# KiCad board SplitKeeb.kicad_pcb (continued)
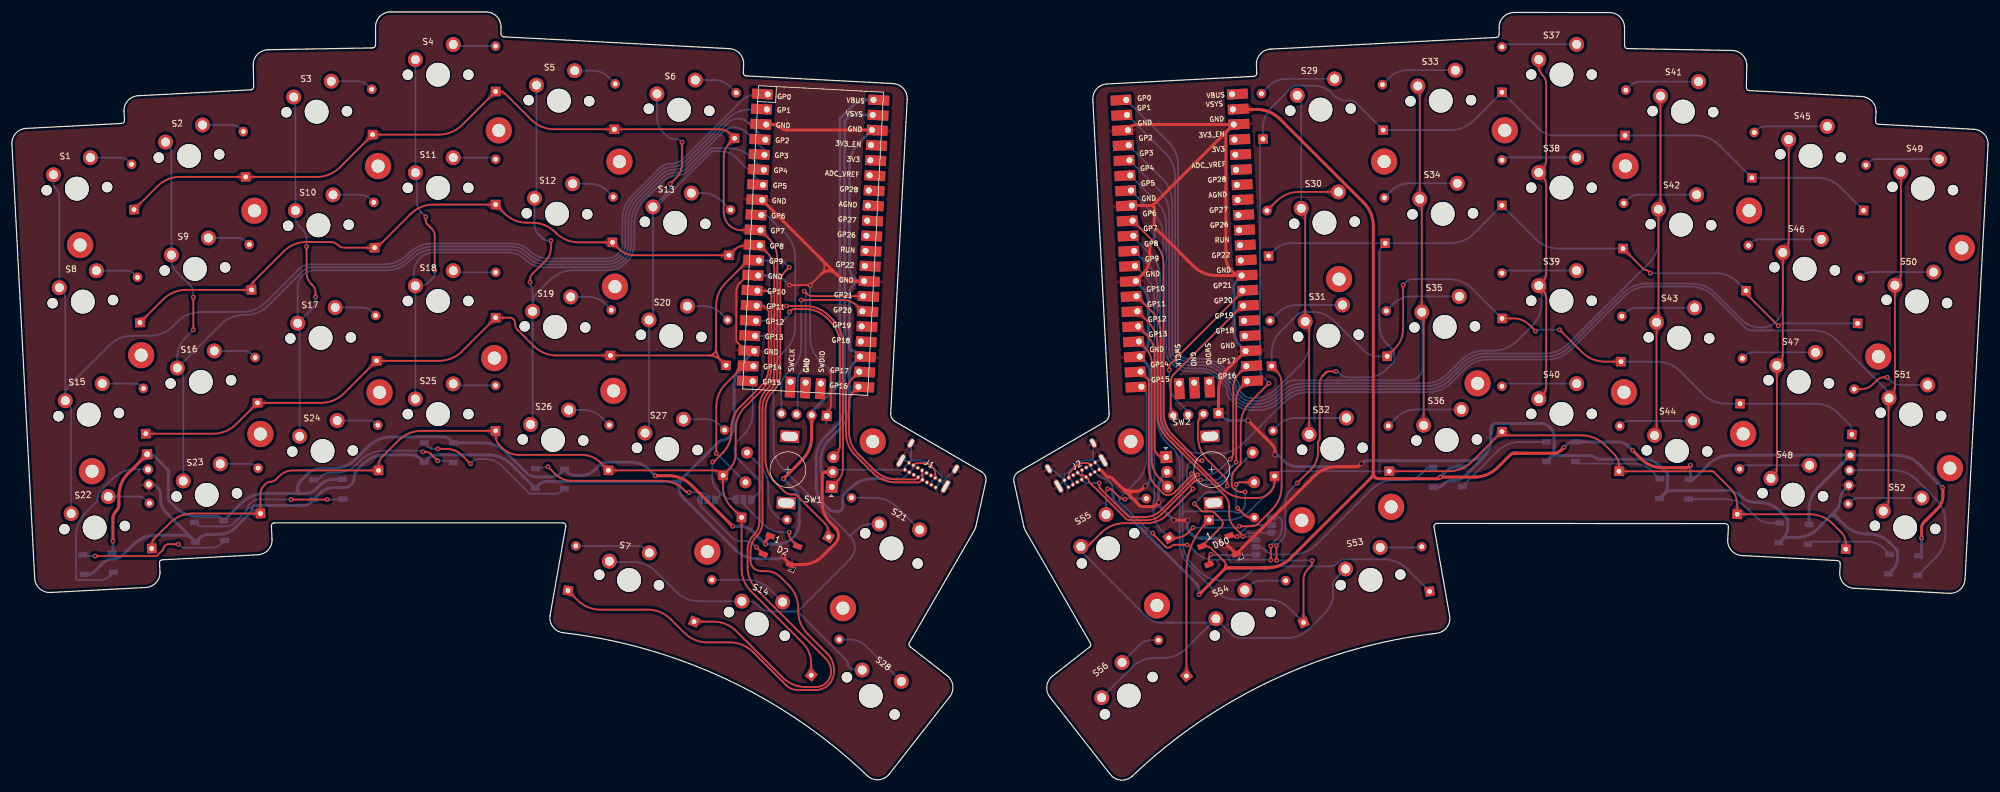
[diagram p0: board, top side]
## Routing (per net, layer and track width the routed paths; a pad name or vN(x,y) marks a point on that pad's centre or on a via; arc(x,y) is an arc through that point)
+5V: length 243.1
  Top w0.5: v1(126.44,39.63) 126.44,39.93 arc(126.5,40.2) 126.65,40.43 D2.1 ; v1(107.94,51.13) 110.19,51.13 arc(112.27,50.72) 114.03,49.54 v1(120.94,42.63) ; 134.2,61.9 134.2,57.63 arc(133.78,55.54) 132.6,53.78 v1(129.45,50.63) ; v1(16.94,40.13) 16.94,43.91 arc(17.07,44.57) 17.45,45.13 arc(17.82,45.69) 17.95,46.35 17.95,47.81 arc(18.35,49.81) 19.49,51.5 J5.1
  Bottom w0.5: U1.40 143.33,114.26 arc(142.17,114.03) 141.19,113.37 138.98,111.17 arc(138.95,111.12) 138.94,111.07 138.94,66.98 arc(138.88,66.66) 138.69,66.38 138.45,66.14 arc(138.44,66.13) 138.43,66.13 arc(138.43,66.13) 138.42,66.12 134.2,61.9 ; 48.75,48.13 47.13,48.13 ; 48.75,48.13 49.11,48.13 arc(50.18,48.34) 51.09,48.95 51.65,49.51 arc(52.76,50.26) 54.08,50.52 D65.1 ; 48.75,48.13 arc(48.18,48.37) 47.94,48.94 ; 47.13,48.13 42.38,48.13 arc(40.3,47.71) 38.53,46.54 35.93,43.93 arc(35.54,43.77) 35.15,43.93 arc(34.71,44.22) 34.2,44.32 30.94,44.32 arc(29.14,44.68) 27.62,45.7 26.49,46.83 arc(26.31,47.1) 26.24,47.41 26.24,51.7 arc(26.26,51.78) 26.31,51.85 arc(26.33,51.91) 26.31,51.98 23.86,54.42 arc(23.53,54.64) 23.13,54.72 J5.1 ; 47.13,48.13 arc(47.71,48.37) 47.94,48.94 ; v1(107.94,51.13) 106.82,52.26 arc(105.57,53.09) 104.1,53.38 99.69,53.38 arc(99.13,53.27) 98.66,52.95 97.89,52.18 arc(96.72,51.4) 95.35,51.13 94.64,51.13 arc(93.92,51.27) 93.31,51.68 D58.1 92.1,51.58 arc(91.38,51.1) 90.53,50.93 88.02,50.93 arc(87.1,51.11) 86.31,51.64 82.9,55.05 arc(81.13,56.23) 79.05,56.65 D59.1 73.59,57.15 arc(73.04,57.52) 72.38,57.65 63.69,57.65 arc(61.61,57.23) 59.84,56.05 57.72,53.92 arc(55.95,52.74) 53.87,52.33 51.7,52.33 arc(50.61,52.11) 49.69,51.5 48.52,50.32 arc(48.09,49.69) 47.94,48.94 ; D67.1 16.86,38.27 arc(16.92,38.36) 16.94,38.46 v1(16.94,40.13) ; v1(120.94,42.63) 122.19,42.63 arc(123.35,42.4) 124.33,41.75 v1(126.44,39.63) 128.4,39.63 arc(129.83,39.91) 131.03,40.72 arc(131.84,41.92) 132.12,43.35 132.12,47.14 arc(131.97,47.9) 131.54,48.54 v1(129.45,50.63)
+5V 1: length 324.4
  Top w0.3: J4.2 199.49,61.05 arc(199.16,60.55) 199.04,59.97 199.04,57.62 arc(199.45,55.53) 200.63,53.77 203.57,50.83 arc(203.85,50.42) 203.94,49.93 v1(203.94,49.4) ; v1(198.44,46.4) 199.58,45.27 arc(199.72,45.17) 199.89,45.13 201.21,45.13 arc(201.52,45.07) 201.78,44.9 202.95,43.73 arc(203.13,43.46) 203.19,43.14 arc(203.13,42.83) 202.95,42.56 199.9,39.5 arc(199.87,39.37) 199.98,39.3 200.27,39.3 arc(200.81,39.19) 201.27,38.88 203.41,36.75 arc(203.62,36.43) 203.69,36.05 arc(203.81,35.77) 204.1,35.65 ; J2.B4 177.35,51.18 arc(177.42,51.53) 177.62,51.83 178.49,52.7 arc(179.13,53.12) 179.88,53.27 180.44,53.27 arc(180.67,53.23) 180.86,53.1 J2.B9
  Top w0.5: v1(271.94,55.4) 273.41,53.93 arc(275.03,52.85) 276.95,52.47 280.98,52.47 arc(281.24,52.52) 281.46,52.67 v1(281.69,52.9) ; 203.41,35.36 v1(199.19,31.15) ; 203.41,35.36 arc(203.62,35.68) 203.69,36.05 ; 203.41,35.36 arc(203.72,35.57) 204.1,35.65 210.69,35.65 arc(212.77,36.06) 214.54,37.24 228.18,50.88 ; v1(323.94,49.15) 323.99,49.11 arc(324.02,49.06) 324.03,49 324.03,47.77 arc(323.79,46.58) 323.12,45.57 320.82,43.27 arc(320.54,42.86) 320.44,42.37 v1(320.44,40.65) ; v1(260.44,55.9) 259.94,55.4 arc(259.39,55.03) 258.74,54.9 251.94,54.9 arc(251.71,54.85) 251.52,54.72 249.29,52.49 arc(247.52,51.31) 245.44,50.9 v1(239.69,50.9) 239.55,50.76 arc(239.39,50.65) 239.21,50.62 229.35,50.62 arc(229.01,50.69) 228.71,50.88 ; 228.44,51.53 228.44,93.11 arc(228.03,95.19) 226.85,96.96 212.75,111.06 arc(210.98,112.24) 208.9,112.65 U2.39 ; 228.44,51.53 arc(228.51,51.18) 228.71,50.88 ; 228.44,51.53 arc(228.37,51.18) 228.18,50.88 ; 228.18,50.88 arc(228.44,50.99) 228.71,50.88
  Bottom w0.3: v1(203.94,49.4) 203.44,48.9 arc(202.89,48.53) 202.24,48.4 201.03,48.4 arc(200.45,48.28) 199.95,47.95 198.46,46.46 arc(198.45,46.44) 198.44,46.42 v1(198.44,46.4) ; J2.B4 177.85,50.3 arc(177.98,50.1) 178.03,49.87 J2.A9 ; J2.B9 181.03,52.67 arc(181.08,52.45) 181.21,52.25 J2.A4 182.5,50.96 arc(182.85,50.73) 183.25,50.65 arc(183.66,50.57) 184,50.34 184.19,50.15 arc(184.56,49.6) 184.69,48.94
  Bottom w0.5: 184.69,48.94 184.69,48.36 arc(184.93,47.17) 185.61,46.16 198.69,33.07 arc(199.06,32.52) 199.19,31.86 v1(199.19,31.15) ; v1(271.94,55.4) 271.24,56.1 arc(270.47,56.62) 269.55,56.8 261.87,56.8 arc(261.38,56.7) 260.97,56.43 v1(260.44,55.9) ; D70.1 320.21,37.9 arc(320.38,38.16) 320.44,38.47 v1(320.44,40.65) ; D61.1 242.37,52.59 arc(241.46,52.41) 240.69,51.9 v1(239.69,50.9) ; D69.1 301.56,45.37 arc(301.97,47.46) 303.15,49.22 308.5,54.57 ; 308.5,54.57 316.27,54.57 arc(318.35,54.16) 320.11,52.98 v1(323.94,49.15) ; 308.5,54.57 arc(308.5,54.57) 308.5,54.57 ; 308.5,54.57 arc(308.5,54.57) 308.5,54.57 ; 308.5,54.57 arc(308.5,54.57) 308.5,54.57 ; v1(281.69,52.9) 281.69,50.97 arc(281.66,50.79) 281.56,50.64 arc(281.54,50.56) 281.61,50.51 281.8,50.51 arc(282.14,50.57) 282.44,50.77 284.65,52.98 arc(286.41,54.16) 288.5,54.58 308.49,54.58 arc(308.5,54.58) 308.5,54.57
GND: length 401.1
  Top w0.3: 136.73,61.77 137.09,62.12 arc(137.35,62.51) 137.44,62.98 v1(137.44,68.63) ; v1(130.44,83.13) v1(133.94,83.13) 135.85,85.04 arc(136.36,86.26) 135.85,87.47 ; U1.13 124.32,84.75 arc(123.48,84.58) 122.76,84.11 122.15,83.49 arc(121.71,82.84) 121.56,82.07 121.56,73.99 arc(121.61,73.73) 121.76,73.51 122.71,72.55 arc(123.25,72.19) 123.88,72.07 U1.18
  Top w0.5: 138.29,85.04 U1.8 ; 138.29,85.04 arc(139.64,84.14) 141.23,83.82 U1.28 ; 138.29,85.04 arc(137.07,85.54) 135.85,85.04 ; v1(129.44,37.63) 129.44,37.53 arc(129.46,37.43) 129.52,37.35 D2.3 132.63,36.21 arc(134.45,36.57) 136,37.6 138.15,39.75 arc(138.56,40.37) 138.7,41.09 arc(138.56,41.81) 138.15,42.42 137.34,43.24 arc(136.33,44.75) 135.97,46.53 135.97,51.2 arc(136.01,51.41) 136.13,51.59 arc(136.31,51.71) 136.51,51.75 SW1.C ; U1.3 127.8,110.12 arc(128.41,109.99) 128.92,109.65 arc(129.44,109.31) 130.05,109.18 U1.38
  Bottom w0.3: J1.S1 150.87,53.87 arc(150.82,53.65) 150.7,53.47 ; v1(133.94,83.13) 133.94,74.38 arc(134.36,72.3) 135.54,70.54 v1(137.44,68.63) ; 150.7,53.47 150.73,53.5 arc(150.96,53.65) 151.22,53.71 152.15,53.71 arc(153.27,53.48) 154.22,52.85 155.9,51.17 arc(156,51.03) 156.03,50.86 ; 150.7,53.47 150.36,53.13 ; 150.7,53.47 arc(150.53,53.4) 150.36,53.47 ; 150.36,53.13 149.85,52.62 J1.A12 138.36,52.13 arc(138.11,52.08) 137.9,51.94 arc(137.68,51.8) 137.43,51.75 ; 150.36,53.13 arc(150.43,53.3) 150.36,53.47 ; 155.69,50.31 155.9,50.53 arc(156,50.67) 156.03,50.84 ; U1.13 127.68,84.75 arc(128.74,84.54) 129.63,83.94 v1(130.44,83.13) ; J1.A1 155.34,49.49 arc(155.59,49.87) 155.68,50.32 ; 150.36,53.47 150.35,53.48 arc(150.16,53.61) 149.92,53.65 J1.S1 ; J1.S1 156.42,50.32 155.69,50.32 ; J1.S1 155.69,50.31 arc(155.68,50.31) 155.68,50.32 ; 155.69,50.32 arc(155.69,50.33) 155.69,50.33 arc(155.68,50.32) 155.68,50.32 ; 155.69,50.32 arc(155.68,50.32) 155.68,50.32
  Bottom w0.5: J5.3 23.45,49.65 arc(23.89,49.56) 24.26,49.31 24.43,49.14 arc(24.81,48.57) 24.94,47.91 24.94,47.25 arc(25.2,45.97) 25.92,44.88 D66.3 ; 137.43,51.75 136.14,51.75 arc(136.07,51.73) 136,51.69 arc(135.94,51.66) 135.88,51.69 135.84,51.73 arc(135.77,51.84) 135.74,51.97 135.74,53.81 arc(136.11,55.65) 137.15,57.2 138.95,59 arc(140.13,60.77) 140.54,62.85 140.54,68.1 arc(140.77,69.26) 141.43,70.25 141.82,70.64 arc(142.03,71.14) 141.82,71.63 141.61,71.85 arc(141.3,72.06) 140.94,72.13 arc(140.66,72.24) 140.54,72.52 140.54,81.58 arc(140.71,82.44) 141.2,83.16 141.45,83.42 ; 110.94,50.13 89.69,50.13 arc(88.97,49.98) 88.35,49.57 D58.3 83.78,53.04 arc(82.02,54.21) 79.93,54.63 71.38,54.63 arc(70.54,54.46) 69.83,53.99 D59.3 68.55,53.99 arc(67.84,54.46) 67,54.63 62.7,54.63 arc(60.62,54.21) 58.85,53.04 57.97,52.16 arc(57.58,51.57) 57.44,50.88 57.44,50.84 arc(57.31,50.18) 56.94,49.63 arc(56.39,49.26) 55.74,49.13 54.06,49.13 arc(52.76,48.87) 51.65,48.13 D65.3 50.15,46.63 arc(49.6,46.26) 48.94,46.13 42.76,46.13 arc(42.73,46.13) 42.71,46.15 arc(42.69,46.17) 42.66,46.17 41.01,46.17 arc(40.74,46.12) 40.52,45.97 40.5,45.95 arc(40.36,45.75) 40.31,45.51 arc(40.27,45.27) 40.13,45.07 37.4,42.34 arc(36.24,41.56) 34.86,41.28 33.03,41.28 arc(32.18,41.12) 31.46,40.64 D66.3 ; 110.94,50.13 arc(111.87,50.31) 112.65,50.84 ; 110.94,50.13 arc(111.65,49.84) 111.94,49.13 ; 141.45,83.42 arc(141.9,83.72) 142.42,83.82 ; 141.45,83.42 arc(141.62,83.82) 141.45,84.22 ; 112.65,50.84 118.63,56.82 arc(118.98,57.05) 119.39,57.13 arc(119.8,57.21) 120.14,57.44 120.52,57.82 arc(121.03,58.58) 121.21,59.48 121.21,66.46 arc(121.62,68.54) 122.8,70.3 U1.18 ; 112.65,50.84 arc(112.13,50.05) 111.94,49.13 ; 141.45,84.22 141.2,84.47 arc(140.71,85.2) 140.54,86.05 140.54,103.16 arc(140.96,105.24) 142.14,107.01 U1.38 ; 141.45,84.22 arc(141.9,83.92) 142.42,83.82 ; D66.3 30.25,40.56 arc(29.61,40.98) 28.87,41.13 24.2,41.13 arc(22.12,40.71) 20.35,39.54 18.66,37.84 arc(17.87,37.32) 16.95,37.14 arc(16.03,36.95) 15.24,36.43 13.81,34.99 arc(13.32,34.67) 12.75,34.55 D67.3 ; 142.42,83.82 U1.28 ; v1(129.44,37.63) 129.22,37.4 arc(128.97,37.24) 128.68,37.18 125.15,37.18 arc(123.07,37.59) 121.3,38.77 112.65,47.42 arc(112.13,48.21) 111.94,49.13
GND1: length 424.4
  Top w0.5: 188.07,48.52 188.7,48.52 arc(189.27,48.64) 189.76,48.96 v2(190.19,49.4) ; 188.07,48.52 arc(186.91,48.75) 185.93,49.41 ; 188.07,48.52 arc(187.59,48.2) 187.7,47.64 ; 185.93,49.41 187.7,47.64 ; 185.93,49.41 184.66,50.68 arc(184.42,50.84) 184.14,50.9 arc(183.86,50.95) 183.62,51.11 182.5,52.23 ; 187.7,47.64 189.14,46.2 arc(189.43,46.01) 189.78,45.94 191.23,45.94 arc(191.69,46.03) 192.09,46.29 v2(192.44,46.65) ; U2.3 187.72,109.65 arc(188.24,109.99) 188.85,110.12 204.09,110.12 ; v2(197.32,43.65) v2(194.94,43.65) ; v2(207.44,60.4) 211.5,56.34 arc(211.83,55.85) 211.94,55.27 v2(211.94,54.65) ; v2(190.91,89.87) 190.91,87.79 arc(190.61,86.27) 189.75,84.98 U2.13 ; 204.09,110.12 arc(204.44,109.88) 204.36,109.46 ; 204.09,110.12 arc(204.44,109.88) 204.36,109.46 ; 191.55,96.65 204.36,109.46 ; 191.55,96.65 arc(191.49,96.5) 191.55,96.36 ; 191.55,96.65 arc(191.39,96.54) 191.19,96.5 ; 204.36,109.46 203.77,108.87 arc(203.72,108.8) 203.7,108.72 203.7,87.8 arc(203.94,86.63) 204.6,85.64 205.19,85.05 arc(205.52,84.83) 205.92,84.75 202.1,84.75 arc(200.01,85.16) 198.25,86.34 v2(191.69,92.9) 191.69,96 arc(191.66,96.19) 191.55,96.36 ; U2.23 204.07,69.13 arc(202.89,67.36) 202.47,65.28 J4.1 ; v2(226.44,53.15) 226.19,52.9 arc(225.92,52.71) 225.59,52.65 222.38,52.65 arc(220.3,52.23) 218.53,51.06 D60.3 204.22,39.19 arc(204,39.35) 203.73,39.4 v2(203.44,39.4) ; 191.19,96.5 U2.8 ; 191.19,96.5 arc(191.39,96.46) 191.55,96.36
  Bottom w0.3: 176.59,50.4 175.89,51.1 arc(175.83,51.14) 175.77,51.15 arc(175.7,51.16) 175.64,51.2 174.75,52.09 arc(174.52,52.25) 174.24,52.3 J2.S1 ; 176.59,50.4 arc(176.61,50.37) 176.62,50.33 ; 176.59,50.4 arc(176.56,50.44) 176.55,50.48 176.55,50.78 arc(176.62,51.1) 176.8,51.37 178.35,52.93 arc(179.23,53.52) 180.27,53.72 181.13,53.72 arc(181.38,53.67) 181.58,53.53 181.6,53.51 ; 176.59,50.4 arc(176.6,50.37) 176.59,50.34 ; J2.A1 182.45,52.67 181.94,53.18 ; 176.59,50.34 175.64,49.39 arc(175.63,49.39) 175.63,49.38 J2.S1 ; 176.59,50.34 arc(176.61,50.34) 176.62,50.33 ; J2.A12 176.79,49.7 arc(176.66,49.9) 176.62,50.12 176.62,50.33 ; 181.6,53.51 181.94,53.18 ; 181.6,53.51 arc(181.77,53.45) 181.94,53.51 ; 181.6,53.51 arc(181.48,53.7) 181.43,53.92 J2.S1 ; 181.94,53.51 181.95,53.52 arc(182.14,53.66) 182.38,53.7 J2.S1 ; 181.94,53.51 arc(181.87,53.35) 181.94,53.18
  Bottom w0.5: U2.13 189.64,82.77 arc(190.42,81.6) 190.69,80.22 190.69,73.6 arc(190.51,72.66) 189.97,71.86 arc(189.67,71.14) 189.97,70.42 190.12,70.27 arc(190.77,69.3) 190.99,68.16 190.99,51 190.99,50.3 arc(190.98,50.21) 190.92,50.13 v2(190.19,49.4) ; v2(190.91,89.87) 191.3,90.26 arc(191.59,90.69) 191.69,91.2 v2(191.69,92.9) ; 304.96,44.17 303.01,42.22 arc(301.38,41.13) 299.44,40.74 297.96,40.74 arc(297.4,40.63) 296.92,40.31 297.24,40.63 arc(297.79,41.46) 297.98,42.43 297.98,43.76 arc(297.97,43.85) 297.92,43.93 296.59,45.25 arc(295.04,46.29) 293.22,46.65 292.6,46.65 arc(291.29,46.91) 290.18,47.65 arc(289.08,48.39) 287.77,48.65 278.78,48.65 arc(277.9,48.47) 277.14,47.97 D68.3 277.15,47.97 arc(277.65,48.73) 277.83,49.62 277.83,51.19 arc(277.77,51.49) 277.6,51.74 276.64,52.71 arc(275.31,53.59) 273.76,53.9 266.37,53.9 arc(265.98,53.98) 265.64,54.2 arc(265.31,54.42) 264.92,54.5 259.2,54.5 arc(258.55,54.37) 257.99,54 D62.3 258.14,54.15 arc(258.62,54.87) 258.79,55.72 258.79,57.59 arc(258.62,58.48) 258.12,59.22 arc(257.37,59.72) 256.49,59.9 249.05,59.9 arc(248.72,59.83) 248.44,59.65 arc(248.26,59.37) 248.19,59.05 ; 304.96,44.17 306.18,45.38 ; 304.96,44.17 arc(305.57,44.42) 306.18,44.17 ; 306.18,45.38 arc(305.92,44.77) 306.18,44.17 ; 306.18,45.38 arc(306.63,46.06) 306.78,46.85 306.78,47.02 arc(306.97,47.97) 307.51,48.77 J6.3 ; v2(203.44,39.4) 202.55,40.3 arc(202.16,40.56) 201.69,40.65 199.56,40.65 arc(198.67,40.83) 197.92,41.33 197.55,41.7 arc(197.32,42.04) 197.24,42.44 197.24,43.52 arc(197.25,43.57) 197.28,43.61 v2(197.32,43.65) ; U2.28 205.71,84.12 arc(205.24,83.41) 205.08,82.59 205.08,75.36 arc(205.33,74.1) 206.04,73.03 U2.23 ; 248.19,59.05 248.19,57.02 arc(247.99,56.02) 247.43,55.17 246.67,54.41 arc(246.66,54.4) 246.65,54.4 246.64,54.4 arc(245.56,53.84) 244.35,53.65 227.3,53.65 arc(226.97,53.58) 226.69,53.4 v2(226.44,53.15) 226.19,52.9 arc(225.92,52.71) 225.59,52.65 215.86,52.65 arc(214.55,52.91) 213.44,53.65 212.62,54.47 arc(212.42,54.6) 212.19,54.65 v2(211.94,54.65) ; 248.19,59.05 248.19,57.43 arc(247.83,55.62) 246.8,54.08 243.85,51.12 arc(242.99,50.55) 241.98,50.35 241.7,50.35 arc(240.95,50.2) 240.32,49.78 240.19,49.65 arc(239.7,49.32) 239.13,49.21 D61.3 ; v2(207.44,60.4) 204.58,60.4 arc(203.77,60.56) 203.09,61.02 J4.1 ; 306.18,44.17 307.41,42.93 arc(309.18,41.75) 311.26,41.34 311.67,41.34 arc(313.48,40.98) 315.02,39.95 316.3,38.67 arc(316.38,38.55) 316.41,38.41 316.41,37.18 arc(316.21,36.21) 315.66,35.38 D70.3 ; v2(194.94,43.65) 192.62,45.97 arc(192.49,46.17) 192.44,46.4 v2(192.44,46.65) 192.43,46.66 arc(192.43,46.67) 192.42,46.68 192.42,49.34 arc(192.61,50.27) 193.13,51.06 SW2.C
Indicator LED L: length 23.2
  Bottom w0.3: U1.20 124.3,61.64 arc(123.9,59.65) 122.77,57.96 121.92,57.1 arc(121.42,56.36) 121.24,55.48 arc(121.42,54.6) 121.92,53.86 125.28,50.49 arc(125.62,49.98) 125.74,49.38 arc(125.62,48.78) 125.28,48.27 124.53,47.52 arc(124.53,47.51) 124.52,47.51 arc(124.51,47.51) 124.51,47.51 124.04,47.04
Indicator LED R: length 60.3
  Top w0.3: v1(191.4,41.49) 191.4,41.43 arc(191.42,41.37) 191.45,41.32 193.55,39.23 arc(193.76,39.08) 194.02,39.03 arc(194.28,39.08) 194.5,39.23 194.55,39.28 arc(194.83,39.46) 195.15,39.53 197.18,39.53 arc(197.19,39.53) 197.2,39.52 v1(197.21,39.51) ; v1(211.24,36.94) 211.24,36.94 v1(211.24,39.33)
  Bottom w0.3: v1(197.21,39.51) 197.32,39.51 arc(197.42,39.49) 197.5,39.43 198.67,38.26 arc(200.05,37.34) 201.67,37.02 211.11,37.02 arc(211.16,37.01) 211.2,36.98 v1(211.24,36.94) ; U2.20 189.94,65.64 arc(190.26,65.17) 190.37,64.61 190.37,54.07 arc(189.95,51.99) 188.77,50.22 185.86,47.31 arc(185.77,47.18) 185.74,47.02 arc(185.77,46.86) 185.86,46.73 190.99,41.6 arc(191.11,41.52) 191.25,41.49 v1(191.4,41.49) ; v1(211.24,39.33) 211.24,39.38 arc(211.25,39.43) 211.28,39.48 212.3,40.49 arc(212.92,41.43) 213.14,42.53 213.14,43.45 arc(213.09,43.71) 212.94,43.93 arc(212.72,44.08) 212.46,44.13 JP4.1
L Rotary A: length 43.7
  Top w0.3: SW1.A 138.51,50.19 arc(139.2,51.22) 139.44,52.44 139.44,73.38 arc(139.03,75.46) 137.85,77.22 137.04,78.04 arc(135.27,79.21) 133.19,79.63 v1(129.94,79.63)
  Bottom w0.3: v1(129.94,79.63) 129.69,79.63 arc(129.46,79.58) 129.27,79.45 127.71,77.89 arc(126.87,77.34) 125.89,77.14 U1.16
L Rotary B: length 38.9
  Top w0.3: SW1.B 138.39,54.8 arc(138.8,55.41) 138.94,56.14 138.94,73.17 arc(138.53,75.25) 137.35,77.02 136.75,77.61 arc(135.07,78.73) 133.09,79.13 131.3,79.13 arc(130.97,79.06) 130.69,78.88 v1(130.44,78.63)
  Bottom w0.3: U1.17 125.81,74.6 arc(126.83,74.81) 127.7,75.39 130.27,77.95 arc(130.4,78.15) 130.44,78.38 v1(130.44,78.63)
L SCL: length 30.8
  Top w0.3: U1.27 134.39,81.28 arc(133.84,81.39) 133.37,81.71 v1(132.94,82.13)
  Bottom w0.3: 131.66,62.03 131.76,62.13 arc(131.83,62.23) 131.85,62.36 131.85,67.09 arc(132.03,67.97) 132.52,68.71 arc(133.02,69.45) 133.19,70.33 133.19,81.7 arc(133.16,81.87) 133.07,82 v1(132.94,82.13)
L SDA: length 30.4
  Top w0.3: v1(132.44,80.63) 139.5,80.63 arc(140.73,80.38) 141.78,79.69 U1.26
  Bottom w0.3: v1(132.44,80.63) 132.44,72.88 arc(132.03,70.8) 130.85,69.04 129.87,68.06 arc(129.32,67.23) 129.12,66.25 129.12,62.17
LCol1: length 202.2
  Bottom w0.3: U1.1 125.16,115.19 arc(123.63,114.88) 122.33,114.01 112.69,104.38 arc(111.75,103.75) 110.63,103.53 arc(109.52,103.3) 108.57,102.67 104.04,98.14 arc(102.86,96.37) 102.44,94.29 102.44,90.19 arc(102.25,89.21) 101.69,88.38 arc(100.86,87.82) 99.88,87.63 89.92,87.63 arc(88.29,87.95) 86.9,88.88 arc(85.52,89.8) 83.88,90.13 70.49,90.13 arc(68.41,89.71) 66.64,88.54 66.33,88.22 arc(64.56,87.04) 62.48,86.63 50.12,86.63 arc(49.03,86.41) 48.11,85.79 42.54,80.22 arc(40.77,79.04) 38.69,78.63 31.7,78.63 arc(29.62,78.21) 27.85,77.04 27.04,76.22 arc(25.27,75.04) 23.19,74.63 20.2,74.63 arc(18.12,74.21) 16.35,73.04 9.63,66.31 arc(9.13,65.56) 8.95,64.68 8.95,64.43 ; S1.1 6.96,100.44 arc(7.09,99.79) 7.46,99.24 arc(7.83,98.69) 7.96,98.04 7.96,83.4 arc(8.09,82.76) 8.45,82.2 arc(8.82,81.65) 8.95,81 8.95,64.43 ; 8.95,64.43 arc(9.08,63.78) 9.45,63.23 ; 8.95,64.43 arc(9.08,63.78) 9.45,63.23 ; S22.1 9.95,62.03 arc(9.82,62.68) 9.45,63.23
LCol2: length 181.8
  Top w0.3: v1(30.44,75.63) v1(30.44,81.13)
  Bottom w0.3: 27.76,69.92 27.76,71.08 arc(28.1,72.8) 29.08,74.26 v1(30.44,75.63) ; 27.76,69.92 arc(27.89,69.27) 28.26,68.72 ; 27.76,69.92 arc(27.94,69.65) 28.26,69.72 ; U1.2 123.93,112.65 arc(121.84,112.24) 120.08,111.06 112.9,103.88 arc(111.96,103.25) 110.84,103.03 arc(109.72,102.8) 108.78,102.17 104.54,97.93 arc(103.36,96.16) 102.94,94.08 102.94,90.19 arc(102.71,89.02) 102.05,88.03 arc(101.05,87.36) 99.88,87.13 89.71,87.13 arc(88.08,87.45) 86.69,88.38 arc(85.31,89.3) 83.68,89.63 70.7,89.63 arc(68.62,89.21) 66.85,88.04 66.54,87.72 arc(64.77,86.54) 62.69,86.13 50.3,86.13 arc(49.51,85.97) 48.84,85.52 43.04,79.72 arc(41.27,78.54) 39.19,78.13 38.92,78.13 arc(36.84,77.71) 35.08,76.54 28.26,69.72 ; S23.1 28.75,67.52 arc(28.63,68.17) 28.26,68.72 ; 28.26,69.72 arc(28.05,69.22) 28.26,68.72 ; v1(30.44,81.13) 30.44,81.85 arc(30.31,82.53) 29.93,83.09 27.45,85.57 arc(26.94,86.33) 26.77,87.23 26.77,105.47 arc(26.64,106.12) 26.27,106.67 S2.1
LCol3: length 162.4
  Top w0.3: v1(50.94,81.13) 50.94,81.88 arc(50.81,82.57) 50.41,83.16 50.19,83.38 arc(49.64,84.21) 49.44,85.19 v1(49.44,89.63)
  Bottom w0.3: S24.1 48.28,76.18 arc(48.23,76.39) 48.11,76.58 ; S3.1 47.43,114.59 arc(47.54,114.43) 47.57,114.24 47.57,94.65 arc(47.76,93.72) 48.29,92.93 48.68,92.53 arc(49.25,91.69) 49.44,90.7 v1(49.44,89.63) ; U1.4 123.59,110.42 arc(122.8,110.94) 121.87,111.13 arc(120.93,110.94) 120.14,110.42 113.11,103.38 arc(112.16,102.75) 111.05,102.53 arc(109.93,102.3) 108.99,101.67 105.04,97.72 arc(103.86,95.96) 103.44,93.88 103.44,90.19 arc(103.17,88.83) 102.4,87.67 arc(101.25,86.9) 99.88,86.63 89.5,86.63 arc(87.87,86.95) 86.49,87.88 arc(85.1,88.8) 83.47,89.13 70.87,89.13 arc(68.82,88.72) 67.08,87.56 66.74,87.22 arc(64.98,86.04) 62.9,85.63 50.86,85.63 arc(49.74,85.41) 48.8,84.78 arc(48.17,83.83) 47.94,82.72 47.94,76.98 ; v1(50.94,81.13) 50.94,80.44 arc(50.82,79.79) 50.45,79.25 48.11,76.91 ; 47.94,76.98 arc(48,76.89) 48.11,76.91 ; 47.94,76.98 arc(47.99,76.76) 48.11,76.58 ; 48.11,76.91 arc(48.04,76.74) 48.11,76.58
LCol4: length 139.3
  Top w0.3: v1(69.44,94.63) 69.44,93.98 arc(69.51,93.66) 69.69,93.38 70.44,92.63 arc(70.81,92.08) 70.94,91.42 v1(70.94,85.63)
  Bottom w0.3: 67.7,83.02 67.71,83.01 ; 67.7,83.02 67.57,83.15 arc(67.48,83.29) 67.44,83.46 67.44,85.21 arc(67.7,86.52) 68.44,87.63 arc(69.55,88.37) 70.86,88.63 83.18,88.63 arc(84.81,88.3) 86.19,87.38 arc(87.58,86.45) 89.21,86.13 99.88,86.13 arc(101.44,86.44) 102.75,87.32 arc(103.63,88.64) 103.94,90.19 103.94,93.67 arc(104.36,95.75) 105.54,97.52 109.19,101.17 arc(110.14,101.8) 111.25,102.03 arc(112.37,102.25) 113.31,102.88 119.22,108.79 arc(120.16,109.41) 121.25,109.63 arc(122.35,109.41) 123.28,108.79 126.03,106.04 arc(126.22,105.75) 126.29,105.41 U1.5 ; 67.7,83.02 arc(67.7,83.02) 67.71,83.02 ; 67.71,83.01 arc(67.71,83.02) 67.71,83.02 ; 67.71,83.01 arc(67.71,83.01) 67.71,83.01 67.71,64.02 arc(67.71,64.02) 67.71,64.02 S25.1 ; S4.1 67.71,121.01 arc(67.71,121.01) 67.71,121.01 67.71,102.02 arc(67.71,102.02) 67.71,102.02 arc(67.7,102.02) 67.71,102.01 67.82,101.9 arc(67.91,101.76) 67.94,101.61 67.94,97.19 arc(68.14,96.21) 68.69,95.38 v1(69.44,94.63) ; v1(70.94,85.63) 70.94,85.13 arc(70.85,84.67) 70.59,84.28 69.91,83.59 arc(69.27,83.17) 68.52,83.02 67.71,83.02
LCol5: length 123
  Top w0.3: v1(86.94,83.63) 86.94,84.13 arc(87.04,84.59) 87.3,84.98 89.56,87.25 arc(90.21,88.22) 90.44,89.38 v1(90.44,90.63)
  Bottom w0.3: 87.37,74.68 87.37,75.84 ; 87.37,74.68 87.37,74.1 ; 87.37,74.68 87.37,74.1 ; 87.37,74.68 87.37,75.84 ; 87.37,75.84 87.37,76.42 ; 87.37,75.84 87.37,76.42 ; S19.1 87.37,79.89 ; S19.1 87.37,77.58 ; S19.1 87.37,79.89 ; S19.1 87.37,77.58 ; 87.37,79.89 87.37,82.41 arc(87.31,82.68) 87.15,82.92 87.12,82.95 arc(86.99,83.15) 86.94,83.38 v1(86.94,83.63) ; 87.37,79.89 arc(87.58,80.96) 88.19,81.87 90.35,84.04 arc(92.12,85.21) 94.2,85.63 99.88,85.63 arc(101.63,85.98) 103.11,86.96 arc(104.1,88.44) 104.44,90.19 104.44,93.46 arc(104.86,95.54) 106.04,97.31 109.4,100.67 arc(110.35,101.3) 111.46,101.53 arc(112.58,101.75) 113.52,102.38 116.11,104.96 117.19,106.05 arc(117.28,106.11) 117.39,106.13 120.28,106.13 arc(122.36,105.71) 124.13,104.54 U1.6 ; 87.37,76.42 87.37,77.58 ; 87.37,76.42 87.37,77.58 ; S5.1 88.03,98.3 arc(87.99,98.08) 87.86,97.9 arc(87.74,97.71) 87.7,97.5 87.7,93.26 arc(87.86,92.44) 88.32,91.75 89.19,90.88 arc(89.47,90.69) 89.8,90.63 v1(90.44,90.63) ; 87.37,74.1 87.37,71.79 ; 87.37,74.1 87.37,71.79 ; 87.37,71.79 87.37,60.3 arc(87.32,60.09) 87.2,59.9 S26.1
LCol6: length 86.5
  Top w0.3: v1(112.44,107.13) 112.44,103.54 arc(112.18,102.24) 111.44,101.13 v1(110.44,100.13)
  Bottom w0.3: 107.77,96.47 110.1,98.8 arc(110.35,99.19) 110.44,99.64 v1(110.44,100.13) ; 107.77,96.47 arc(107.74,96.35) 107.85,96.27 ; 107.77,96.47 arc(107.62,96.25) 107.57,96 ; S6.1 108.23,111.4 arc(108.52,109.96) 109.34,108.73 109.91,108.16 arc(110.5,107.77) 111.19,107.63 111.59,107.63 arc(111.92,107.56) 112.19,107.38 v1(112.44,107.13) ; U1.7 126.03,100.01 arc(126.02,100.04) 126,100.07 121.49,104.58 arc(120.33,105.36) 118.96,105.63 117.49,105.63 arc(117.48,105.63) 117.47,105.62 108.32,96.47 arc(108.1,96.33) 107.85,96.27 ; S27.1 106.58,58.63 arc(106.82,59) 106.91,59.43 106.91,76.82 arc(106.99,77.25) 107.24,77.62 arc(107.48,77.99) 107.57,78.42 107.57,96 ; 107.57,96 arc(107.65,96.19) 107.85,96.27
LCol7: length 134.6
  Bottom w0.3: 131.84,28.31 140.66,37.12 arc(141.25,38.01) 141.45,39.05 arc(141.25,40.09) 140.66,40.98 ; 131.84,28.31 127.49,28.31 arc(126.35,28.54) 125.39,29.19 125.23,29.34 arc(124.44,29.87) 123.5,30.06 115.3,30.06 arc(113.21,30.47) 111.45,31.65 108.06,35.04 arc(106.3,36.21) 104.22,36.63 100.5,36.63 arc(100.41,36.65) 100.33,36.7 S7.1 ; 131.84,28.31 140.02,20.14 arc(140.22,19.84) 140.29,19.49 140.29,19.12 arc(140.98,18.66) 141.8,18.49 S28.1 ; 140.66,40.98 141.69,42.01 arc(142.81,42.76) 144.13,43.02 S21.1 ; 140.66,40.98 129.39,52.25 arc(128.21,54.01) 127.79,56.1 127.79,67.98 arc(128.21,70.06) 129.39,71.83 129.85,72.29 arc(131.03,74.05) 131.44,76.14 131.44,87.87 arc(131.03,89.95) 129.85,91.72 127,94.57 arc(126.64,94.81) 126.22,94.9 U1.9
LRGB: length 42.3
  Top w0.3: U1.15 126.1,79.68 126.99,78.78 126.99,69.58 126.99,69.58 126.99,69.17 126.95,68.73 126.87,68.3 126.76,67.88 126.61,67.47 126.43,67.08 126.21,66.7 126.19,66.68 122.19,62.68 122.14,62.68 121.84,62.31 121.56,61.92 121.33,61.51 121.13,61.08 120.96,60.63 120.84,60.18 120.76,59.71 120.72,59.24 120.71,59 120.71,58.52 120.71,58.3 120.67,57.85 120.6,57.42 120.48,56.99 120.33,56.57 120.14,56.17 119.92,55.78 119.67,55.42 119.38,55.08 119.22,54.92 117.8,53.5 117.77,53.46 117.68,53.43 117.64,53.43 v1(117.54,53.43)
  Bottom w0.3: 121.45,47.22 120.7,47.22 arc(120.01,47.36) 119.42,47.75 119.06,48.12 ; 118.63,48.54 118.19,48.98 arc(117.71,49.7) 117.54,50.55 v1(117.54,53.43) ; 118.63,48.54 119.06,48.12 ; 118.63,48.54 arc(118.79,48.31) 118.84,48.03 ; 119.06,48.12 arc(118.92,48.14) 118.84,48.03 ; 118.04,46.93 118.63,47.52 arc(118.79,47.75) 118.84,48.03 ; 121.18,46.93 121.45,47.2
LRotarySwitch: length 24.8
  Top w0.3: U1.19 123.59,69.53 arc(122.81,69.38) 122.16,68.94 119.79,66.57 arc(118.61,64.8) 118.19,62.72 v1(118.19,54.88)
  Bottom w0.3: SW1.S2 118.23,54.87 arc(118.22,54.88) 118.21,54.88 v1(118.19,54.88)
LRow1: length 267.2
  Top w0.3: 130.08,15.78 124.33,21.54 arc(122.56,22.71) 120.48,23.13 116.7,23.13 arc(114.62,23.54) 112.85,24.72 110.54,27.04 arc(108.77,28.21) 106.69,28.63 98.76,28.63 arc(96.68,29.04) 94.91,30.22 D8.1 ; D1.1 24.38,99.72 arc(26.15,100.9) 28.23,101.31 D3.1 51.17,101.31 arc(53.25,101.73) 55.01,102.91 D4.1 71.67,108.42 arc(73.75,108.83) 75.52,110.01 80.74,115.23 arc(81.22,115.55) 81.79,115.67 arc(82.36,115.55) 82.84,115.23 87.16,110.91 arc(88.92,109.73) 91.01,109.32 D6.1 118.71,109.32 arc(119.69,109.12) 120.52,108.57 120.89,108.19 arc(121.05,107.82) 120.89,107.44 120.36,106.91 arc(119.68,105.89) 119.44,104.7 119.44,95.38 arc(119.67,94.22) 120.33,93.24 arc(121.31,92.59) 122.46,92.36 U1.10 127.04,90.95 arc(128.08,89.39) 128.44,87.55 128.44,68.48 arc(128.12,66.85) 127.19,65.46 arc(126.27,64.08) 125.94,62.45 125.94,43.34 arc(125.68,42.03) 124.94,40.92 arc(124.2,39.81) 123.94,38.51 123.94,36.84 arc(124.07,36.18) 124.44,35.63 arc(125,35.26) 125.65,35.13 126.44,35.13 arc(127.83,34.85) 129,34.07 130.35,32.72 arc(131.53,30.96) 131.94,28.88 131.94,28.38 arc(132.36,26.3) 133.54,24.54 136.81,21.26 arc(137.65,20.01) 137.94,18.53 137.94,18.19 arc(137.71,17.02) 137.05,16.03 arc(136.05,15.36) 134.88,15.13 131.86,15.13 arc(130.82,15.34) 129.94,15.93
LRow2: length 223.4
  Top w0.3: D9.1 25.38,80.75 arc(27.14,81.93) 29.22,82.34 39.69,82.34 arc(40.06,82.5) 40.22,82.87 arc(40.32,83.37) 40.6,83.78 45.6,88.79 arc(47.37,89.96) 49.45,90.38 53.51,90.38 arc(54.14,90.25) 54.67,89.9 arc(55.2,89.54) 55.83,89.42 61.04,89.42 arc(61.22,89.45) 61.37,89.55 66.89,95.07 arc(68.65,96.25) 70.73,96.67 D12.1 82.69,95.15 arc(84.37,94.02) 86.36,93.63 87.31,93.63 arc(89.39,93.21) 91.16,92.04 91.28,91.92 arc(93.04,90.74) 95.13,90.32 D13.1 101.85,89.24 arc(103.05,88.44) 104.47,88.16 D14.1 121.16,88.99 arc(122.09,89.61) 123.17,89.82 U1.11 126.72,88.6 arc(127.63,87.24) 127.94,85.64 127.94,68.69 arc(127.62,67.06) 126.69,65.67 arc(125.77,64.29) 125.44,62.65 125.44,43.54 arc(125.18,42.24) 124.44,41.13 arc(123.7,40.02) 123.44,38.71 123.44,35.79 arc(123.86,33.71) 125.04,31.94 136.59,20.39 arc(137.22,19.45) 137.44,18.33 137.44,18.19 arc(137.25,17.21) 136.69,16.38 arc(135.86,15.82) 134.88,15.63 133.2,15.63 arc(131.12,16.04) 129.35,17.22 121.55,25.03 arc(119.78,26.21) 117.7,26.62 D15.1
LRow3: length 187.6
  Top w0.3: D16.1 33.78,58.19 arc(35.86,58.6) 37.63,59.78 D17.1 51.88,63.37 arc(53.96,63.78) 55.72,64.96 D18.1 71.67,70.42 arc(73.76,70.84) 75.52,72.02 D19.1 83.53,77.67 arc(83.88,77.6) 84.17,77.4 arc(84.37,77.1) 84.44,76.75 84.44,76.58 arc(84.55,76.07) 84.83,75.63 87.55,72.92 arc(89.31,71.74) 91.4,71.33 D20.1 117,71.33 ; D22.1 137.06,41.65 arc(136.91,42.41) 136.48,43.05 131.71,47.81 arc(131.53,47.94) 131.31,47.98 130.82,47.98 arc(130.15,48.11) 129.58,48.49 128.04,50.04 arc(126.86,51.8) 126.44,53.88 126.44,62.24 arc(126.77,63.87) 127.69,65.26 arc(128.62,66.64) 128.94,68.28 128.94,83.57 arc(129.14,84.55) 129.69,85.38 v1(130.44,86.13) ; 119,70.5 D21.1 ; 119,70.5 arc(118.08,71.11) 117,71.33 ; 119,70.5 arc(118.39,71.41) 118.17,72.5 ; U1.12 124.45,87.29 arc(123.61,87.12) 122.9,86.64 119.77,83.51 arc(118.59,81.75) 118.17,79.67 118.17,72.5 ; 117,71.33 arc(117.83,71.67) 118.17,72.5
  Bottom w0.3: U1.12 128.47,87.29 arc(129.22,87.14) 129.86,86.71 v1(130.44,86.13)
LRow4: length 187
  Top w0.3: D29.1 134.12,19.62 arc(133.75,21.46) 132.71,23.02 124.04,31.69 arc(122.86,33.46) 122.44,35.54 D63.1 120.73,45.85 arc(119.69,47.39) 119.33,49.22 119.33,50.6 ; D23.1 23.47,39.53 arc(23.59,40.11) 23.91,40.6 26.5,43.19 arc(28.27,44.37) 30.35,44.78 D24.1 41.7,48.01 arc(41.86,48.82) 42.32,49.51 42.59,49.78 arc(42.98,50.04) 43.44,50.13 arc(43.91,50.22) 44.3,50.48 44.88,51.07 arc(45.92,51.76) 47.15,52.01 D25.1 61.53,52.86 arc(61.69,53.65) 62.13,54.32 64.89,57.07 arc(66.65,58.25) 68.73,58.67 D26.1 81.17,57.78 arc(81.34,56.97) 81.8,56.27 82.31,55.76 arc(83.57,54.92) 85.05,54.63 95.64,54.63 arc(97.35,54.29) 98.8,53.32 D27.1 117.91,52.02 arc(118.46,51.91) 118.92,51.6 ; 119.33,50.6 arc(119.44,51.14) 119.75,51.6 ; 119.33,50.6 arc(119.22,51.14) 118.92,51.6 ; 119.75,51.6 120.39,52.25 arc(121.17,53.42) 121.44,54.8 121.44,58.88 arc(121.86,60.96) 123.04,62.72 125.85,65.54 arc(127.03,67.3) 127.44,69.38 127.44,81.22 arc(127.37,81.6) 127.15,81.92 arc(126.83,82.14) 126.45,82.21 U1.14 ; 119.75,51.6 arc(119.33,51.43) 118.92,51.6
